# Altium PCB 28-motor-driver.PcbDoc
Units mil, origin at the board's own origin, x right, y up, seen from the top; angles counter-clockwise.
Board outline 1102.36 x 1102.36 mil, 4 copper layers (Top Layer, Mid-Layer 1, Mid-Layer 2, Bottom Layer), stack 33.6 mil thick; 68 components, 58 nets, 243 pads, 72 vias.
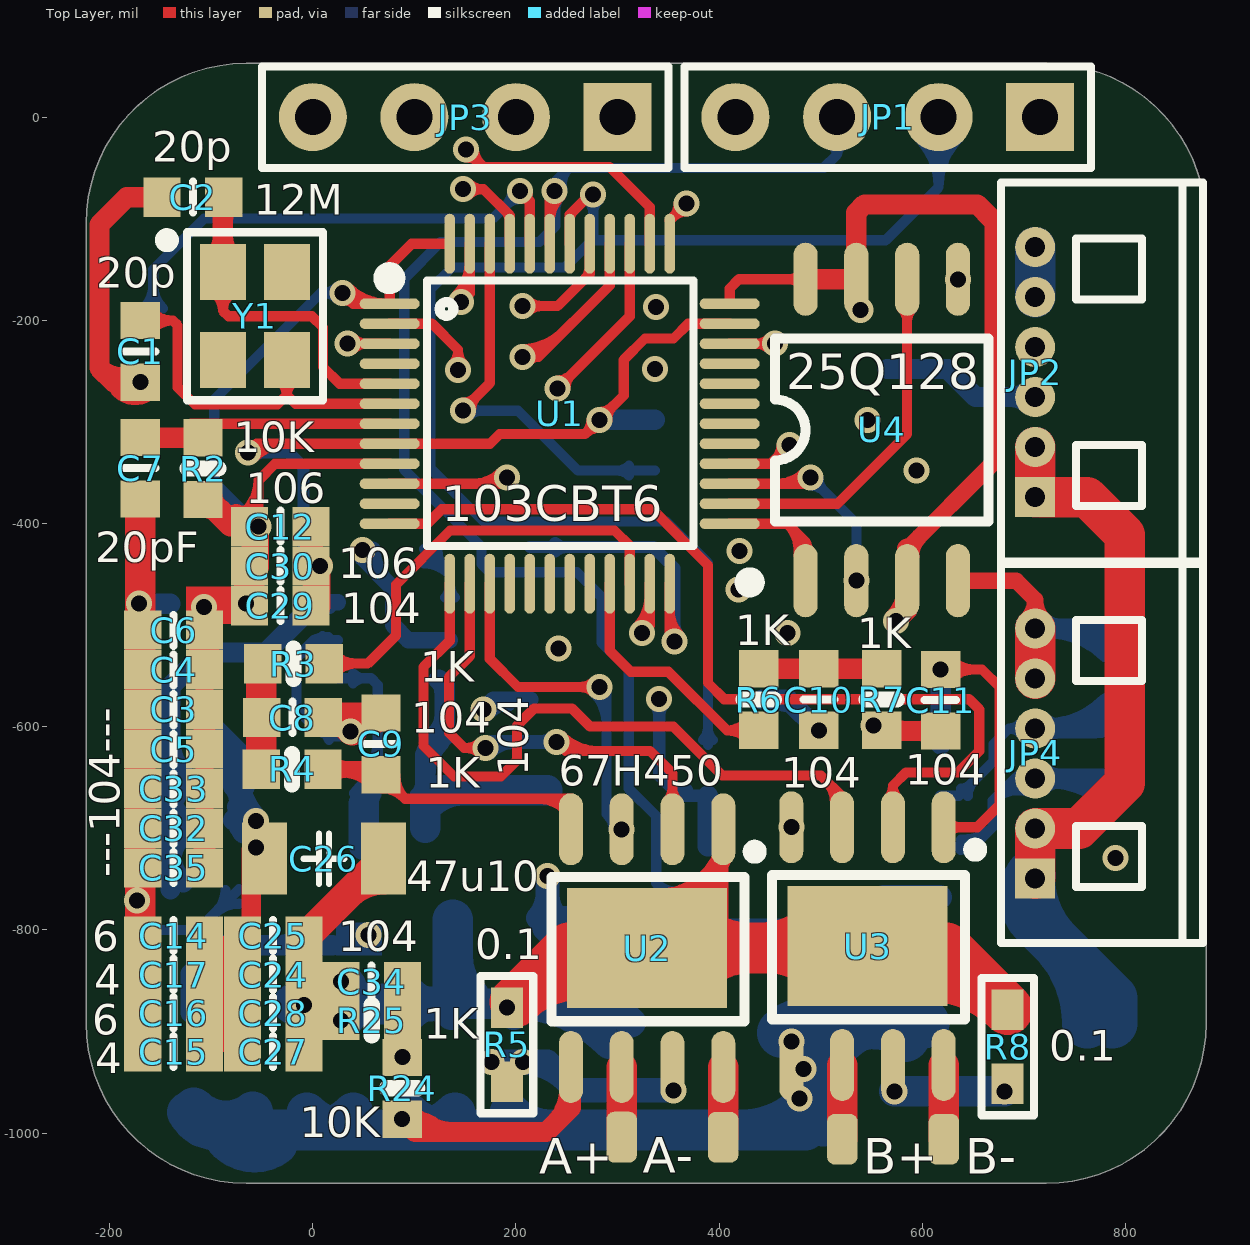
[diagram p0: Top Layer view]
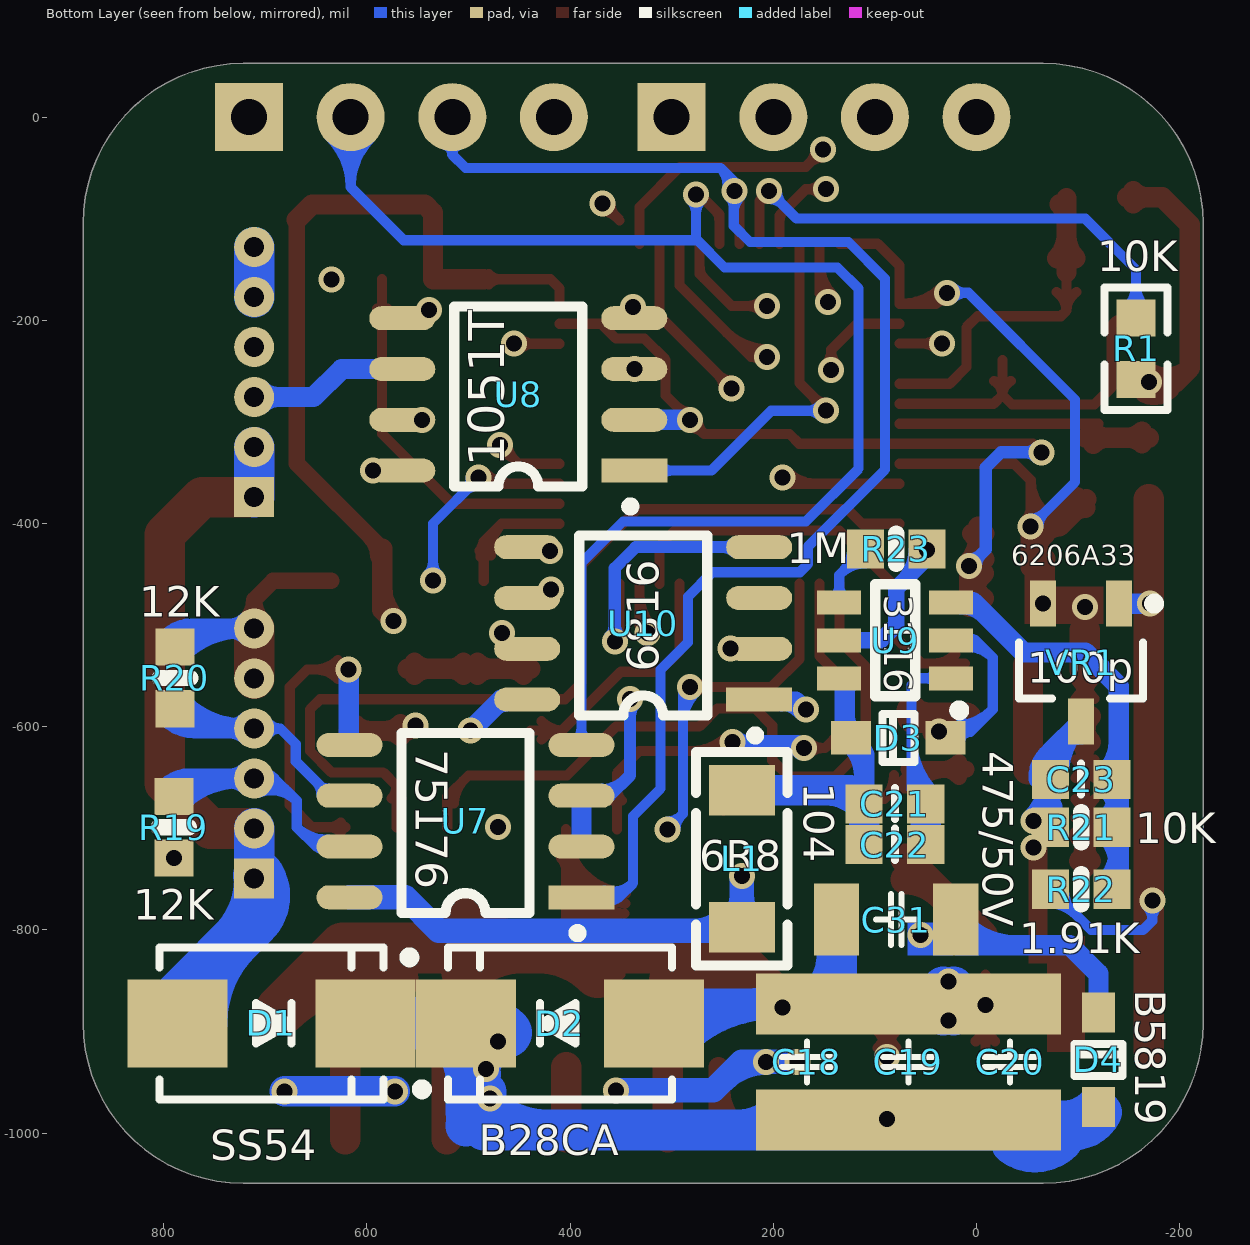
[diagram p1: Bottom Layer view, seen from below]
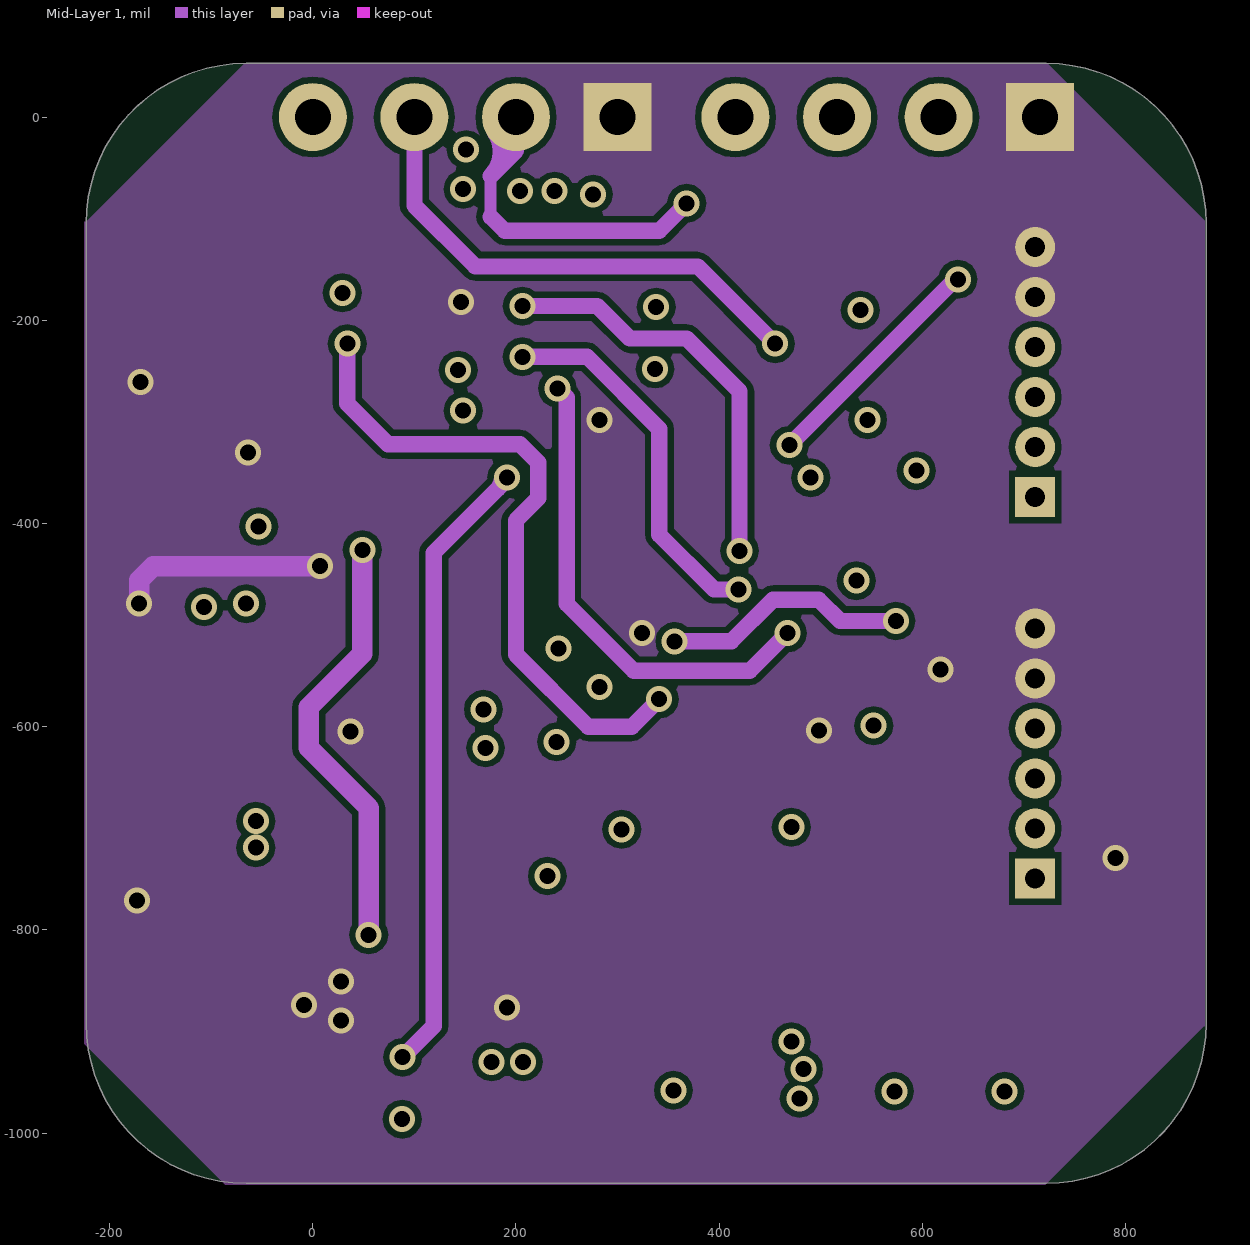
[diagram p2: Mid-Layer 1]
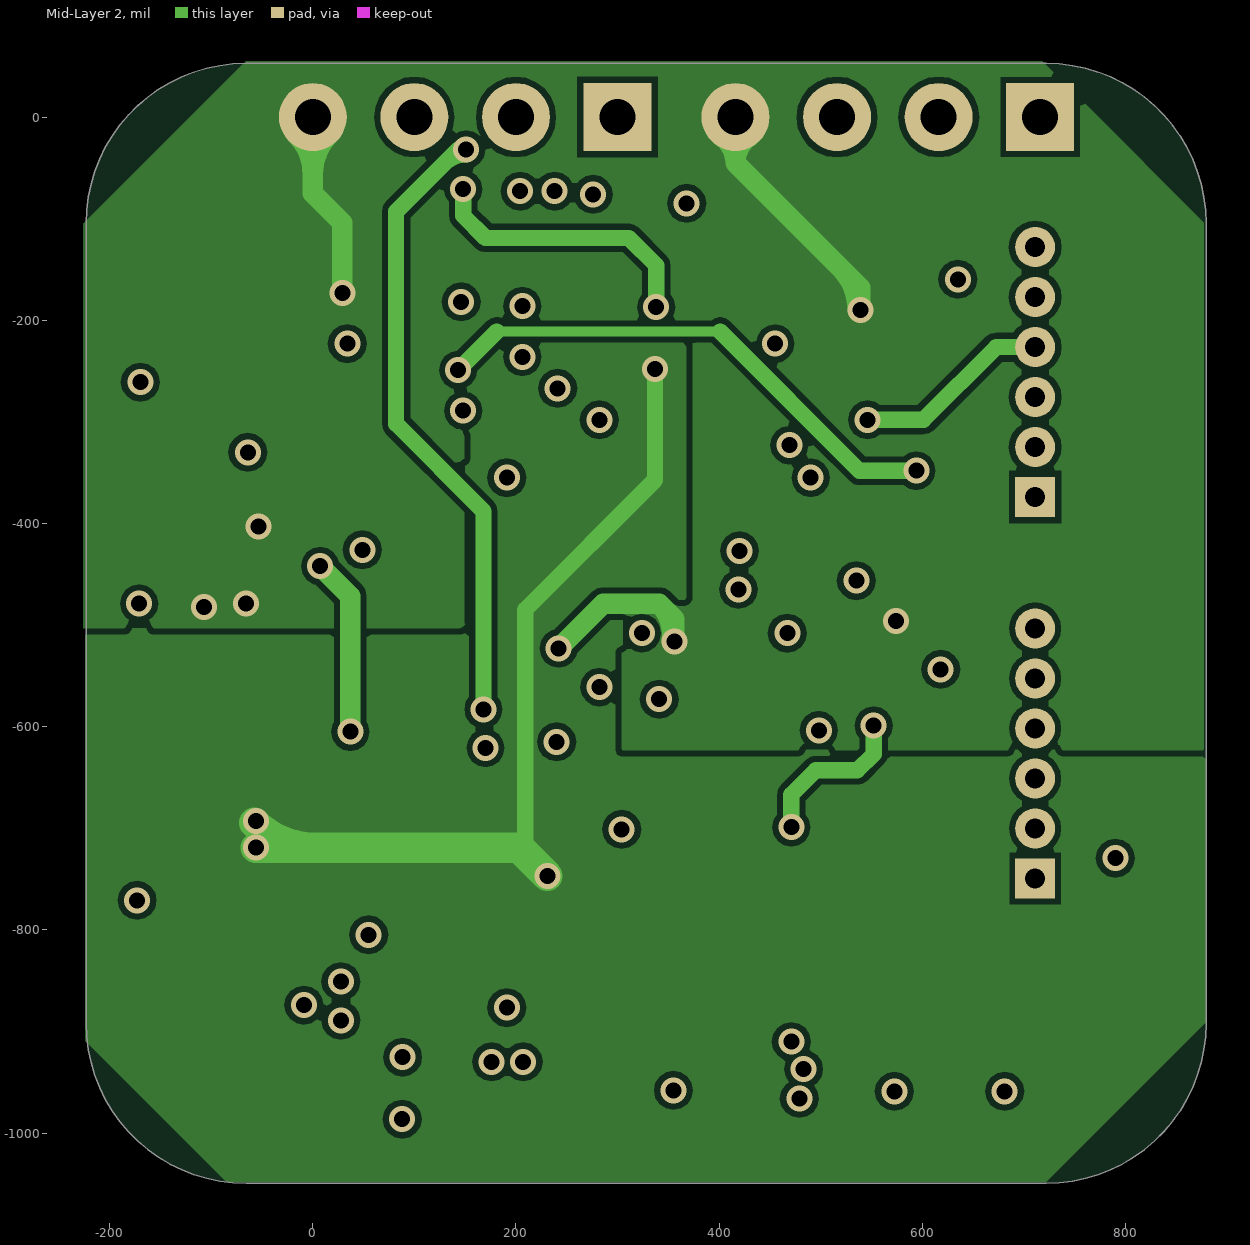
[diagram p3: Mid-Layer 2]

## Layer stack, top to bottom
Top Layer: signal copper 1.4
Dielectric: core 2.8, PP-006, Dk 4.1
Mid-Layer 1: signal copper 1.4
Dielectric: prepreg 12.6, FR-4, Dk 4.8
Mid-Layer 2: signal copper 1.4
Dielectric: core 12.6, FR-4, Dk 4.8
Bottom Layer: signal copper 1.4

## Board outline
-223.09,-892.02 -223.09,-104.62 cw(c-65.61,-104.62) -65.61,52.86 721.79,52.86 cw(c721.79,-104.62) 879.27,-104.62 879.27,-892.02 cw(c721.79,-892.02) 721.79,-1049.5 -65.61,-1049.5 cw(c-65.61,-892.02)

## Design rules (kind name [scope] priority, off if disabled: settings)
Clearance [All] p1: gap=6
MinimumSolderMaskSliver [All] p1 off: minsoldermaskwidth=10
PlaneConnect [All] p1: planeconnectstyle=Direct reliefexpansion=20 reliefentries=4 reliefconductorwidth=10 reliefairgap=10
PolygonConnect [All] p1: connectstyle=Direct reliefconductorwidth=10 reliefentries=4 polygonreliefangle="90 Angle" airgapwidth=10
RoutingVias [All] p1: holewidth=28 width=50 viastyle="Through Hole" minholewidth=5 minwidth=10 maxholewidth=28 maxwidth=50
SilkToSilkClearance [All] p1 off: silktosilkclearance=10
SilkscreenOverComponentPads SilkToSolderMaskClearance [IsPad] p1 off: minsilkscreentomaskgap=10
SolderMaskExpansion [All] p1: expansion=4
Width [All] p1: maxlimit=100 minlimit=10 preferedwidth=10 minimp=50.000000 maximp=50.000000 favimp=50.000000
24 further rules are at their usual default settings.

## Classes and differential pairs
component class Sensor: C32 C33 C34 C35 R24 R25 U4
component class Power: C24 C25 C26 C27 C28 C29 C30
component class Port: C12 C14 C15 C16 C17 JP1 JP2 JP3 JP4
component class MCU: C1 C2 C3 C4 C5 C6 C7 R2 U1 Y1
component class Drive: C8 C9 C10 C11 R3 R4 R5 R6 R7 R8 U2 U3

## Components (designator, comment, footprint, x,y, rotation, side; value= is the part's Value field where it differs from the comment)
C1 "20p" 0603_C -169.75,-230.65 r270 top
C2 "20p" 0603_C -118,-79 r180 top
C3 "100nF (104) 10% 50V" 0603_C -137,-583 r0 top
C4 "100nF (104) 10% 50V" 0603_C -137,-544 r0 top
C5 "100nF (104) 10% 50V" 0603_C -137,-622 r0 top
C6 "100nF (104) 10% 50V" 0603_C -137,-505 r0 top
C7 "20pF" 0603_C -169.75,-345.65 r270 top
C8 "104" 0603_C -20,-591 r180 top
C9 "104" 0603_C 67,-617 r270 top
C10 "104" 0603_C 498,-573.32 r90 top
C11 "104" 0603_C 618,-574 r270 top
C12 "106" 0603_C -32,-403 r180 top
C14 "10uF (106) 10% 10V" 0603_C -137,-806 r180 top
C15 "100nF (104) 10% 50V" 0603_C -137,-920 r180 top
C16 "10uF (106) 10% 10V" 0603_C -137,-882 r180 top
C17 "100nF (104) 10% 50V" 0603_C -137,-844 r180 top
C18 "107 50" "C 1210_L" 167,-930 r270 bottom
C19 "100uF (107) 20% 50V" "C 1210_L" 67,-930 r270 bottom
C20 "100uF (107) 20% 50V" "C 1210_L" -33,-930 r270 bottom
C21 "104" 0603_C 80.31,-676 r0 bottom
C22 "100nF (104) 10% 50V" 0603_C 80.31,-716 r0 bottom
C23 "100p" 0603_C -103,-652 r0 bottom
C24 "100nF (104) 10% 50V" 0603_C -39,-844 r180 top
C25 "10uF (106) 10% 10V" 0603_C -39,-806 r180 top
C26 "47u10" 1206_C 11,-730 r180 top
C27 "100nF (104) 10% 50V" 0603_C -39,-920 r180 top
C28 "10uF (106) 10% 10V" 0603_C -39,-882 r180 top
C29 "104" 0603_C -32,-481 r180 top
C30 "106" 0603_C -32,-442 r180 top
C31 "475/50V" 1206_C 79,-790 r0 bottom
C32 "100nF (104) 10% 50V" 0603_C -137,-700 r0 top
C33 "100nF (104) 10% 50V" 0603_C -137,-661 r0 top
C34 "104" 0603_C 58,-851 r180 top
C35 "100nF (104) 10% 50V" 0603_C -137,-739 r180 top
D1 "SS54" SMB 694,-892 r180 bottom
D2 "B28CA" SMB 410,-892 r0 bottom
D3 "B5819WS" SOD-323 77,-611 r180 bottom
D4 "B5819" SOD-323 -120,-928 r270 bottom
JP1 "HDR-1X4" HDR2.54-LI-4P 566,0 r180 top
JP2 "HDR-1X6" "MX 1.25-WI-6P" 711,-251 r90 top
JP3 "HDR-1X4" HDR2.54-LI-4P 150,0 r180 top locked
JP4 "HDR-1X6" "MX 1.25-WI-6P" 711,-626.39 r90 top
L1 "6R8" "L 1206" 231,-730 r270 bottom
R1 "10K" ? -157,-228 r270 bottom
R2 "10K" 0603_R -108,-346 r270 top
R3 "1K" 0603_R -19,-538 r180 top
R4 "1K" 0603_R -20.37,-642 r0 top
R5 "0.1" R0603_M 191,-913 r90 top
R6 "1K" 0603_R 439,-573.32 r90 top
R7 "1K" 0603_R 560,-573.32 r270 top
R8 "0.1" R0603_M 684,-915 r90 top
R19 "12K" 0603_R 790,-699 r270 bottom
R20 "12K" 0603_R 789,-552 r90 bottom
R21 "10K" 0603_R -103,-699 r0 bottom
R22 "1.91K" 0603_R -103,-760 r180 bottom
R23 "1M" 0603_R 79,-425 r0 bottom
R24 "10K" 0603_R 88,-956 r90 top
R25 "1K" 0603_R 58,-889 r180 top
U1 "103CBT6" LQFP48_N 243,-292 r0 top locked
U2 "67H450" SOIC-8_EP_150MIL#1 329,-818 r270 top
U3 "TB67H450" SOIC-8_EP_150MIL#2 546,-816 r270 top
U4 "25Q128" SOIC-8W 560,-308 r90 top
U7 "75176" SOIC_8 503,-693 r90 bottom
U8 "1051T" SOIC_8 451,-273 r90 bottom
U9 "3116" SOT-23-6 80,-515 r180 bottom
U10 "6816" SOIC_8 328.09,-498.32 r90 bottom locked
VR1 "6206A33" SOT-23-3L -103,-537 r90 bottom
Y1 "12M" SMD-3225_4P -57,-196 r270 top

## Footprints (in the part's own frame and the unit in brackets; to place one, negate y for a bottom-side part, rotate by r counter-clockwise, add the part's x,y. Pads: shape width x height; smd on the part's side, far side on the other; paste and mask are expansions set on the pad)
0603_C [mm]
  rect 0.93x0.98 smd: 1(-0.77,0) 2(0.77,0)
  silkscreen extent 0,-0.4 0,0.38, body extent -0.8,-0.4 0.8,0.4, height 0.3
0603_R [mm]
  rect 0.93x0.98 smd: 1(-0.77,0) 2(0.77,0)
  silkscreen extent 0,-0.38 0,0.38, body extent -0.85,-0.4 0.85,0.4, height 0.56
1206_C [mm]
  rect 1.13x1.8 smd: 1(-1.49,0) 2(1.49,0)
  silkscreen extent -0.51,-0.64 0.51,0.64, body extent -1.6,-0.81 1.6,0.79, height 1
"C 1210_L" [mil]
  rect 60x100 smd: 1(-57.09,0) 2(57.09,0)
  silkscreen extent -20,-25 20,25, body extent -63,-51 63,51, height 60
HDR2.54-LI-4P [mm]
  rect 1.7x1.7 hole 0.9: 1(-3.81,0)
  round 1.7 hole 0.9: 2(-1.27,0) 3(1.27,0) 4(3.81,0)
  silkscreen extent -5.08,-1.27 5.08,1.27, body extent -5.08,-1.27 5.08,1.27, height 2.54
"L 1206" [mil]
  rect 50x65 smd: 1(-67.5,0) 2(67.5,0)
  silkscreen extent -105,-45 105,45, body extent -63,-31 63,31, height 35
LQFP48_N [mm]
  oval 1.5x0.27 smd: 1(-4.25,2.75) 2(-4.25,2.25) 3(-4.25,1.75) 4(-4.25,1.25) 5(-4.25,0.75) 6(-4.25,0.25) 7(-4.25,-0.25) 8(-4.25,-0.75) 9(-4.25,-1.25) 10(-4.25,-1.75) 11(-4.25,-2.25) 12(-4.25,-2.75) 25(4.25,-2.75) 26(4.25,-2.25) 27(4.25,-1.75) 28(4.25,-1.25) 29(4.25,-0.75) 30(4.25,-0.25) 31(4.25,0.25) 32(4.25,0.75) 33(4.25,1.25) 34(4.25,1.75) 35(4.25,2.25) 36(4.25,2.75)
  oval 0.27x1.5 smd: 13(-2.75,-4.25) 14(-2.25,-4.25) 15(-1.75,-4.25) 16(-1.25,-4.25) 17(-0.75,-4.25) 18(-0.25,-4.25) 19(0.25,-4.25) 20(0.75,-4.25) 21(1.25,-4.25) 22(1.75,-4.25) 23(2.25,-4.25) 24(2.75,-4.25) 37(2.75,4.25) 38(2.25,4.25) 39(1.75,4.25) 40(1.25,4.25) 41(0.75,4.25) 42(0.25,4.25) 43(-0.25,4.25) 44(-0.75,4.25) 45(-1.25,4.25) 46(-1.75,4.25) 47(-2.25,4.25) 48(-2.75,4.25)
  silkscreen extent -4.46,-3.3 3.34,3.59
"MX 1.25-WI-6P" [mm]
  rect 1x1 hole 0.5: 1(-3.125,0)
  round 1 hole 0.5: 2(-1.875,0) 3(-0.625,0) 4(0.625,0) 5(1.875,0) 6(3.125,0)
  silkscreen extent -4.74,-4.19 4.74,0.85, body extent -4.62,-4.05 4.63,0.85, height 3.35
R0603_M [mil]
  rect 40x31.5 smd: 1(-36.5,0) 2(36.5,0)
  silkscreen extent -68,-26 68,26, body extent -31,-16 32,16, height 16
SMB [mm]
  rect 2.5x2.2 smd: 1(-2.35,0) 2(2.35,0)
  silkscreen extent -2.8,-1.9 3.57,1.9, body extent -2.63,-1.8 2.67,1.8, height 2.35
SMD-3225_4P [mm]
  rect 1.4x1.15 smd: 1(-1.1,-0.8) 2(1.1,-0.8) 3(1.1,0.8) 4(-1.1,0.8)
  silkscreen extent -2.1,-2.35 2.1,1.7, body extent -1.6,-1.25 1.6,1.25, height 0.61
SOD-323 [mm]
  rect 1x0.83 smd: 1(1.18,0) 2(-1.18,0)
  silkscreen extent -0.4,-0.6 0.4,0.6, body extent -1.35,-0.63 1.35,0.63, height 1.1
SOIC-8_EP_150MIL#1 [mm]
  oval 1.798x0.6 smd: 1(-2.972,1.905) 2(-2.972,0.635) 3(-2.972,-0.635) 4(-2.972,-1.905) 5(2.972,-1.905) 6(2.972,-0.635) 7(2.972,0.635) ""(2.972,1.905)
  rect 3x4 smd: 9(0,0)
  silkscreen extent -2.56,-2.39 1.83,2.84
SOIC-8_EP_150MIL#2 [mm]
  oval 1.798x0.6 smd: 1(-2.972,1.905) 2(-2.972,0.635) 3(-2.972,-0.635) 4(-2.972,-1.905) 5(2.972,-1.905) 6(2.972,-0.635) 7(2.972,0.635) 8(2.972,1.905)
  rect 3x4 smd: 9(0,0)
  silkscreen extent -2.56,-2.39 1.83,2.84
SOIC-8W [mil] "25Q12"
  oval 72x24 smd: 1(-148.35,75) 2(-148.35,25) 3(-148.35,-25) 4(-148.35,-75) 5(148.35,-75) 6(148.35,-25) 7(148.35,25) 8(148.35,75)
  silkscreen extent -155,-105 90,135, body extent -155,-104 155,104, height 75
SOIC_8 [mm]
  rect 0.6x1.65 smd: 1(-1.905,-2.9)
  oval 0.6x1.65 smd: 2(-0.635,-2.9) 3(0.635,-2.9) 4(1.905,-2.9) 5(1.905,2.9) 6(0.635,2.9) 7(-0.635,2.9) 8(-1.905,2.9)
  silkscreen extent -2.9,-2.9 2.2,1.6, body extent -2.5,-3.01 2.5,3.01, height 1.75
SOT-23-3L [mm]
  rect 1.15x0.65 smd: 1(1.475,-0.95) 2(1.475,0.95) 3(-1.475,0)
  silkscreen extent -0.9,-1.95 1.6,1.55, body extent -0.9,-1.55 0.9,1.55, height 1.25
SOT-23-6 [mm]
  rect 1.1x0.6 smd: 1(1.4,-0.95) 2(1.4,0) 3(1.4,0.95) 4(-1.4,0.95) 5(-1.4,0) 6(-1.4,-0.95)
  silkscreen extent -0.5,-1.87 1.72,1.4
? [mm]
  rect 0.93x0.98 smd: 2(0.77,0) ""(-0.77,0)
  silkscreen extent -1.53,-0.79 1.54,0.79, body extent -0.85,-0.4 0.85,0.4, height 0.56

## Part data
C1 C2 C7: library part "0603 20pF (200) 5% 50V", "贴?"
C3 C4 C5 C6 C8 C9 C10 C11 C15 C17 C21 C22 C24 C27 C29 C32 C33 C34 C35: library part "0603 100nF (104) 10% 50V", "贴?"
C12 C14 C16 C25 C28 C30: library part "0603 10uF (106) 10% 10V", "贴?"
C18 C19 C20: library part Cap, "贴?"
C23: library part "0603 100pF (101) 5% 50V", "贴?"
C26: library part "1206 10uF (106) 10% 50V", "贴?"
C31: library part "1206 4.7uF (475) 10% 50V", "贴?"
D1: library part "SMA(DO-214AC) SS54", "二?"
D2: library part "SMB/DO-214AA P6SMB6.8CA", "TVS"
D3 D4: library part "SOD-323 1N4148WS T4", "二?"
JP1 JP3: library part "Header 4", "4"
JP2 JP4: library part "Header 6", "6P接插件"
L1: library part IND, "贴?"
R1 R2 R21 R24: library part "0603 10KΩ (1002) 1%", "?"
R3 R4 R6 R7 R25: library part "0603 1KΩ (1001) 1%", "?"
R19 R20: library part "0603 12KΩ (1202) 1%", "?"
R22: library part "0603 1KΩ (1001) 1%_1", "?"
R23: library part "0603 1MΩ (1004) 1%", "?"
U1: library part STM32F103CBT6, "STM32 ARM-based 32-bit MCU Performance Line with 128 kB Flash, 20 kB Internal RAM, -40 to +85癈 Temperature, 48-Pin LQFP, Tray"
U2 U3: library part A4950ELJTR-T, "Ö±Á"
U4: library part W25Q128, "SPI FLASH"
U7: library part SN75176BDR_[C7063], "RS-485/RS-422"
U8: library part CAN/TJA1051T/3_[C38695], "CAN"
U9: library part MP2451DT-LF-Z_[C14123], "DC-DCо?"
U10: library part MT6816, "´Å½"
VR1: library part "SOT-23 XC6206P332MR", "低压"
Y1: library part "SMD-3225_4P  12MHZ 20PF 10PPM", "贴?"

## Free pads (board coordinates)
  rrect50% 30x50 smd: ""(304,-1004) ""(403.84,-1004.16) ""(521.26,-1006.03) ""(621.26,-1006.03)

## Via types
v1: diameter 25.59, hole 15.75, Top Layer to Bottom Layer, tented both sides, 65 vias
v2: diameter 25.59, hole 15.75, Top Layer to Bottom Layer, 7 vias

## Nets (pads, with @x,y where several pads share a name; then routed paths per layer and width w, separated by ;. In a path a pad name is that pad's centre, name@x,y a point inside that pad or via, vN(x,y) a via of type N, cw(c..) or ccw(c..) an arc to the next point about the centre after c; other vN are vias at no path point)
485_A: JP4.4 R20.1 U7.6 | length 441
  Bottom Layer w10: U7.6 636,-668 670,-634 670,-617 685.21,-601.79 ; U7.6@637.84,-661.19 ccw(c637.84,-649.19) 646.32,-657.68 ; U7.6@644.65,-668 cw(c665.54,-668) 650.77,-653.23 ; JP4.4@698.37,-609.28 ccw(c685.21,-617.08) 685.21,-601.79 ; JP4.4@698.37,-594.29 cw(c685.21,-586.49) 685.21,-601.79 ; JP4.4 685.21,-601.79
  Bottom Layer w20: JP4.4 769.53,-601.79 R20.1 ; JP4.4@717.85,-608.64 cw(c734.38,-625.17) 734.38,-601.79 cw(c734.38,-578.41) JP4.4@717.85,-594.94 ; JP4.4@720.95,-601.79 ccw(c720.95,-515.25) R20.1@782.14,-576.44 ; 769.23,-601.79 ccw(c769.23,-563.53) R20.1@796.28,-590.58 ; R20.1@773.14,-598.18 ccw(c757.28,-582.32) R20.1@779.71,-582.32 ; R20.1@775.51,-595.8 cw(c788.02,-608.3) R20.1@788.02,-590.62
485_B: JP4.3 R19.1 U7.7 | length 525.2
  Bottom Layer w10: U7.7 650,-718 ; U7.7@637.73,-721.19 ccw(c638.43,-700.98) 652.72,-715.28 ; U7.7@638.08,-711.19 ccw(c639.51,-669.51) 669,-699 ; U7.7@643.65,-721.56 cw(c650,-725.44) 650,-718 ; U7.7@643.65,-714.44 ccw(c650,-710.56) 650,-718 ; 680.1,-661.9 cw(c699.85,-681.65) JP4.3@709.4,-655.4 ; 691.2,-650.8 cw(c705.77,-665.37) JP4.3@712.82,-646.01 ; JP4.3@696.99,-655.4 ccw(c691,-657.28) 691,-651 ; JP4.3@696.99,-646.6 cw(c691,-644.72) 691,-651 ; JP4.3@705.98,-664.8 ccw(c693.93,-697.92) 669,-673 ; JP4.3 691,-651 ; 650,-718 669,-699 ; 669,-699 669,-673 ; 669,-673 691,-651
  Bottom Layer w20: JP4.3 772.31,-651 R19.1 ; JP4.3@717.85,-657.85 cw(c734.38,-674.38) 734.38,-651 cw(c734.38,-627.62) JP4.3@717.85,-644.15 ; JP4.3@726.27,-651 cw(c726.27,-731.44) R19.1@783.14,-674.56 ; R19.1@774.55,-651 cw(c774.55,-683.15) R19.1@797.28,-660.42
BOOT0: R1. U1.44 | length 592.3
  Top Layer w10: v1(204,-73) 213.47,-82.47 ; v1@206.07,-80.52 cw(c208.09,-87.86) 213.47,-82.47 ; v1@211.52,-75.07 ccw(c218.86,-77.09) 213.47,-82.47 ; U1.44 213.47,-82.47
  Bottom Layer w10: R1.@-166.41,-188.28 ccw(c-189.13,-165.56) -157,-165.56 ccw(c-124.87,-165.56) R1.@-147.59,-188.28 ; R1. -157,-150 -107,-100 177,-100 v1(204,-73) ; v1@196.2,-73 cw(c177.39,-73) 190.69,-86.31 cw(c204,-99.61) v1@204,-80.8
CAN_H: JP2.4 U8.7 | length 194.7
  Mid-Layer 2 w16: v1(546,-298) 601,-298 672.61,-226.39 JP2.4
CAN_L: JP2.3 U8.6 | length 194
  Bottom Layer w20: U8.6 625,-248 652.61,-275.61 JP2.3 ; JP2.3@704.15,-282.45 ccw(c687.62,-298.99) 687.62,-275.61 ccw(c687.62,-252.22) JP2.3@704.15,-268.76
CAN_RX: U1.45 U8.4 | length 398.8
  Top Layer w10: v1(148,-71) 168,-71 193.79,-96.79 U1.45 ; v1@153.51,-76.51 cw(c166.82,-89.82) 166.82,-71 cw(c166.82,-52.18) v1@153.51,-65.49 ; 190.66,-93.66 cw(c183.85,-100.46) U1.45@193.48,-100.46
  Mid-Layer 2 w16: v1(148,-71) 148,-97 170,-119 311,-119 338,-146 v1(338,-187)
CAN_SILENT: U1.2 U8.8 | length 651
  Top Layer w10: U1.2 117.42,-203.42 143,-229 v1(143,-249) ; v1@137.49,-243.49 ccw(c124.18,-230.18) 143,-230.18 ccw(c161.82,-230.18) v1@148.51,-243.49
  Mid-Layer 2 w10: 181,-211 401,-211
  Mid-Layer 2 w16: v1(143,-249) 181,-211 ; 401,-211 538,-348 v1(594,-348)
CAN_TX: U1.46 U8.1 | length 474.8
  Top Layer w10: v1@147,-289 174.1,-261.9 U1.46 ; v1@148,-281.2 ccw(c148,-264.8) 159.6,-276.4 ; v1@155.8,-289 cw(c177.03,-289) 162.01,-273.99
  Bottom Layer w10: v1@147,-289 202,-289 261,-348 U8.1 ; v1@153.51,-294.51 cw(c166.82,-307.82) 166.82,-289 cw(c166.82,-270.18) v1@153.51,-283.49 ; U8.1@311.34,-352.82 ccw(c299.71,-364.44) 299.71,-348 ccw(c299.71,-331.56) U8.1@311.34,-343.18
  other v1: 148,-289
GND: C1.2 C2.2 C3.1 C4.1 C5.1 C6.1 C7.2 C8.1 C9.1 C10.1 C11.1 C12.1 C14.2 C15.2 C16.2 C17.2 C18.1 C19.1 C20.1 C24.1 C25.1 C26.1 C27.1 C28.1 C29.1 C30.1 C31.2 C32.1 C33.1 C34.2 C35.2 D2.1 D3.1 JP1.1 JP2.5 JP2.6 JP3.1 JP4.5 JP4.6 R1.2 R5.2 R8.2 R19.2 R20.2 R22.1 R25.2 U1.8 U1.23 U1.35 U1.47 U2.1 U2.9 U3.1 U3.9 U4.4 U7.5 U8.2 U9.2 U10.8 VR1.1 | length 8116
  Top Layer w10: v1@-65.56,-328.44 cw(c-48.88,-345.12) -48.88,-321.53 ; v1(-64,-330) -55.53,-321.53 174.47,-321.53 184,-312 268,-312 306,-274 306,-239 327,-218 355,-218 369.58,-203.42 U1.35 ; v1@-58.49,-335.51 cw(c-24.74,-369.26) -24.74,-321.53 ; C27.1@-18.09,-909.61 ccw(c-40.81,-886.89) -8.69,-886.89 ccw(c23.44,-886.89) C27.1@0.72,-909.61 ; C28.1@-18.09,-892.39 cw(c-40.81,-915.11) -8.69,-915.11 cw(c23.44,-915.11) C28.1@0.72,-892.39 ; C28.1@-18.09,-871.61 ccw(c-40.81,-848.89) -8.69,-848.89 ccw(c23.44,-848.89) C28.1@0.72,-871.61 ; C24.1@-18.09,-854.39 cw(c-40.81,-877.11) -8.69,-877.11 cw(c23.44,-877.11) C24.1@0.72,-854.39 ; C28.1@-15.33,-894.51 cw(c-18.33,-899.71) -12.54,-901.26 cw(c-5.79,-903.07) C28.1@-6.79,-896.16 ; C28.1@-15.33,-869.49 ccw(c-18.33,-864.29) -12.54,-862.74 ccw(c-5.79,-860.93) C28.1@-6.79,-867.84 ; C28.1@-15.08,-869.54 ccw(c-24.78,-862.76) -13.35,-859.7 ccw(c-4.06,-857.21) C28.1@-6.61,-866.48 ; C28.1@-14.2,-879.51 cw(c-27.5,-892.82) -8.69,-892.82 cw(c10.13,-892.82) C28.1@-3.17,-879.51 ; C28.1@-14.2,-868.49 ccw(c-27.5,-855.18) -8.69,-855.18 ccw(c10.13,-855.18) C28.1@-3.17,-868.49 ; C28.1@-10.76,-866.48 ccw(c-13.31,-857.21) -4.02,-859.7 ccw(c7.41,-862.76) C28.1@-2.29,-869.54 ; C28.1@-10.58,-896.16 cw(c-11.58,-903.07) -4.83,-901.26 cw(c0.96,-899.71) C28.1@-2.04,-894.51 ; C28.1@-10.58,-867.84 ccw(c-11.58,-860.93) -4.83,-862.74 ccw(c0.96,-864.29) C28.1@-2.04,-869.49 ; C27.1 C28.1 C24.1 ; v2@140.49,-176.49 ccw(c106.85,-142.85) U1.47@154.42,-142.85 ; v2(146,-182) 154.42,-173.58 U1.47 ; v2@147.56,-183.56 ccw(c130.99,-166.99) 154.42,-166.99 ; v1@274.2,-298 cw(c255.39,-298) 268.69,-311.31 cw(c282,-324.61) v1@282,-305.8 ; v1@282,-290.2 ccw(c282,-271.39) 295.31,-284.69 ccw(c308.61,-298) v1@289.8,-298 ; v1@318.49,-502.49 ccw(c286.89,-470.89) U1.23@331.58,-470.89 ; v1(324,-508) 331.58,-500.42 U1.23 ; v1@325.56,-509.56 ccw(c311.03,-495.03) 331.58,-495.03 ; U2.9@345.05,-764.07 ccw(c340.79,-701) U2.1 U2.9@404,-807 ; U2.9@345.72,-774.05 ccw(c341.51,-711.7) U2.1@404,-711.7 ; U2.9@346.39,-784.03 ccw(c342.23,-722.4) U2.1@404,-722.4 ; U2.9@347.07,-794 ccw(c342.95,-733.1) U2.1@404,-733.1 ; U2.9@347.74,-803.98 ccw(c343.68,-743.8) 404,-743.8 ; U2.9@348.42,-813.96 ccw(c344.4,-754.49) 404,-754.49 ; U2.9@349.09,-823.94 ccw(c345.12,-765.19) U2.9@404,-765.19 ; U2.9@349.77,-833.91 ccw(c345.85,-775.89) U2.9@404,-775.89 ; U2.9@350.44,-843.89 ccw(c346.57,-786.59) U2.9@404,-786.59 ; U2.9@351.11,-853.87 ccw(c347.29,-797.29) U2.9@404,-797.29 ; U2.1@399.18,-729.4 cw(c387.56,-741.02) 404,-741.02 cw(c420.44,-741.02) U2.1@408.82,-729.4 ; v1(618,-543.69) 658.69,-543.69 676,-561 676,-677 654,-699 U3.1 ; C11.1@623.51,-549.2 cw(c636.82,-562.5) 636.82,-543.69 cw(c636.82,-524.87) C11.1@623.51,-538.17 ; U3.1@625.82,-703.82 cw(c637.44,-715.44) 637.44,-699 cw(c637.44,-682.56) U3.1@625.82,-694.18 ; C11.1@628.39,-553.09 cw(c651.11,-575.81) 651.11,-543.69 cw(c651.11,-511.56) C11.1@628.39,-534.28
  Top Layer w16: U4.4 692.35,-456.35 711,-475 JP4.6 ; JP4.6@702.74,-495.1 ccw(c682.79,-475.15) 711,-475.15 ccw(c739.21,-475.15) JP4.6@719.26,-495.1